# Altium PCB 11BRANMB10H3_20171027.pcbdoc (part 1 of 7) (continued)
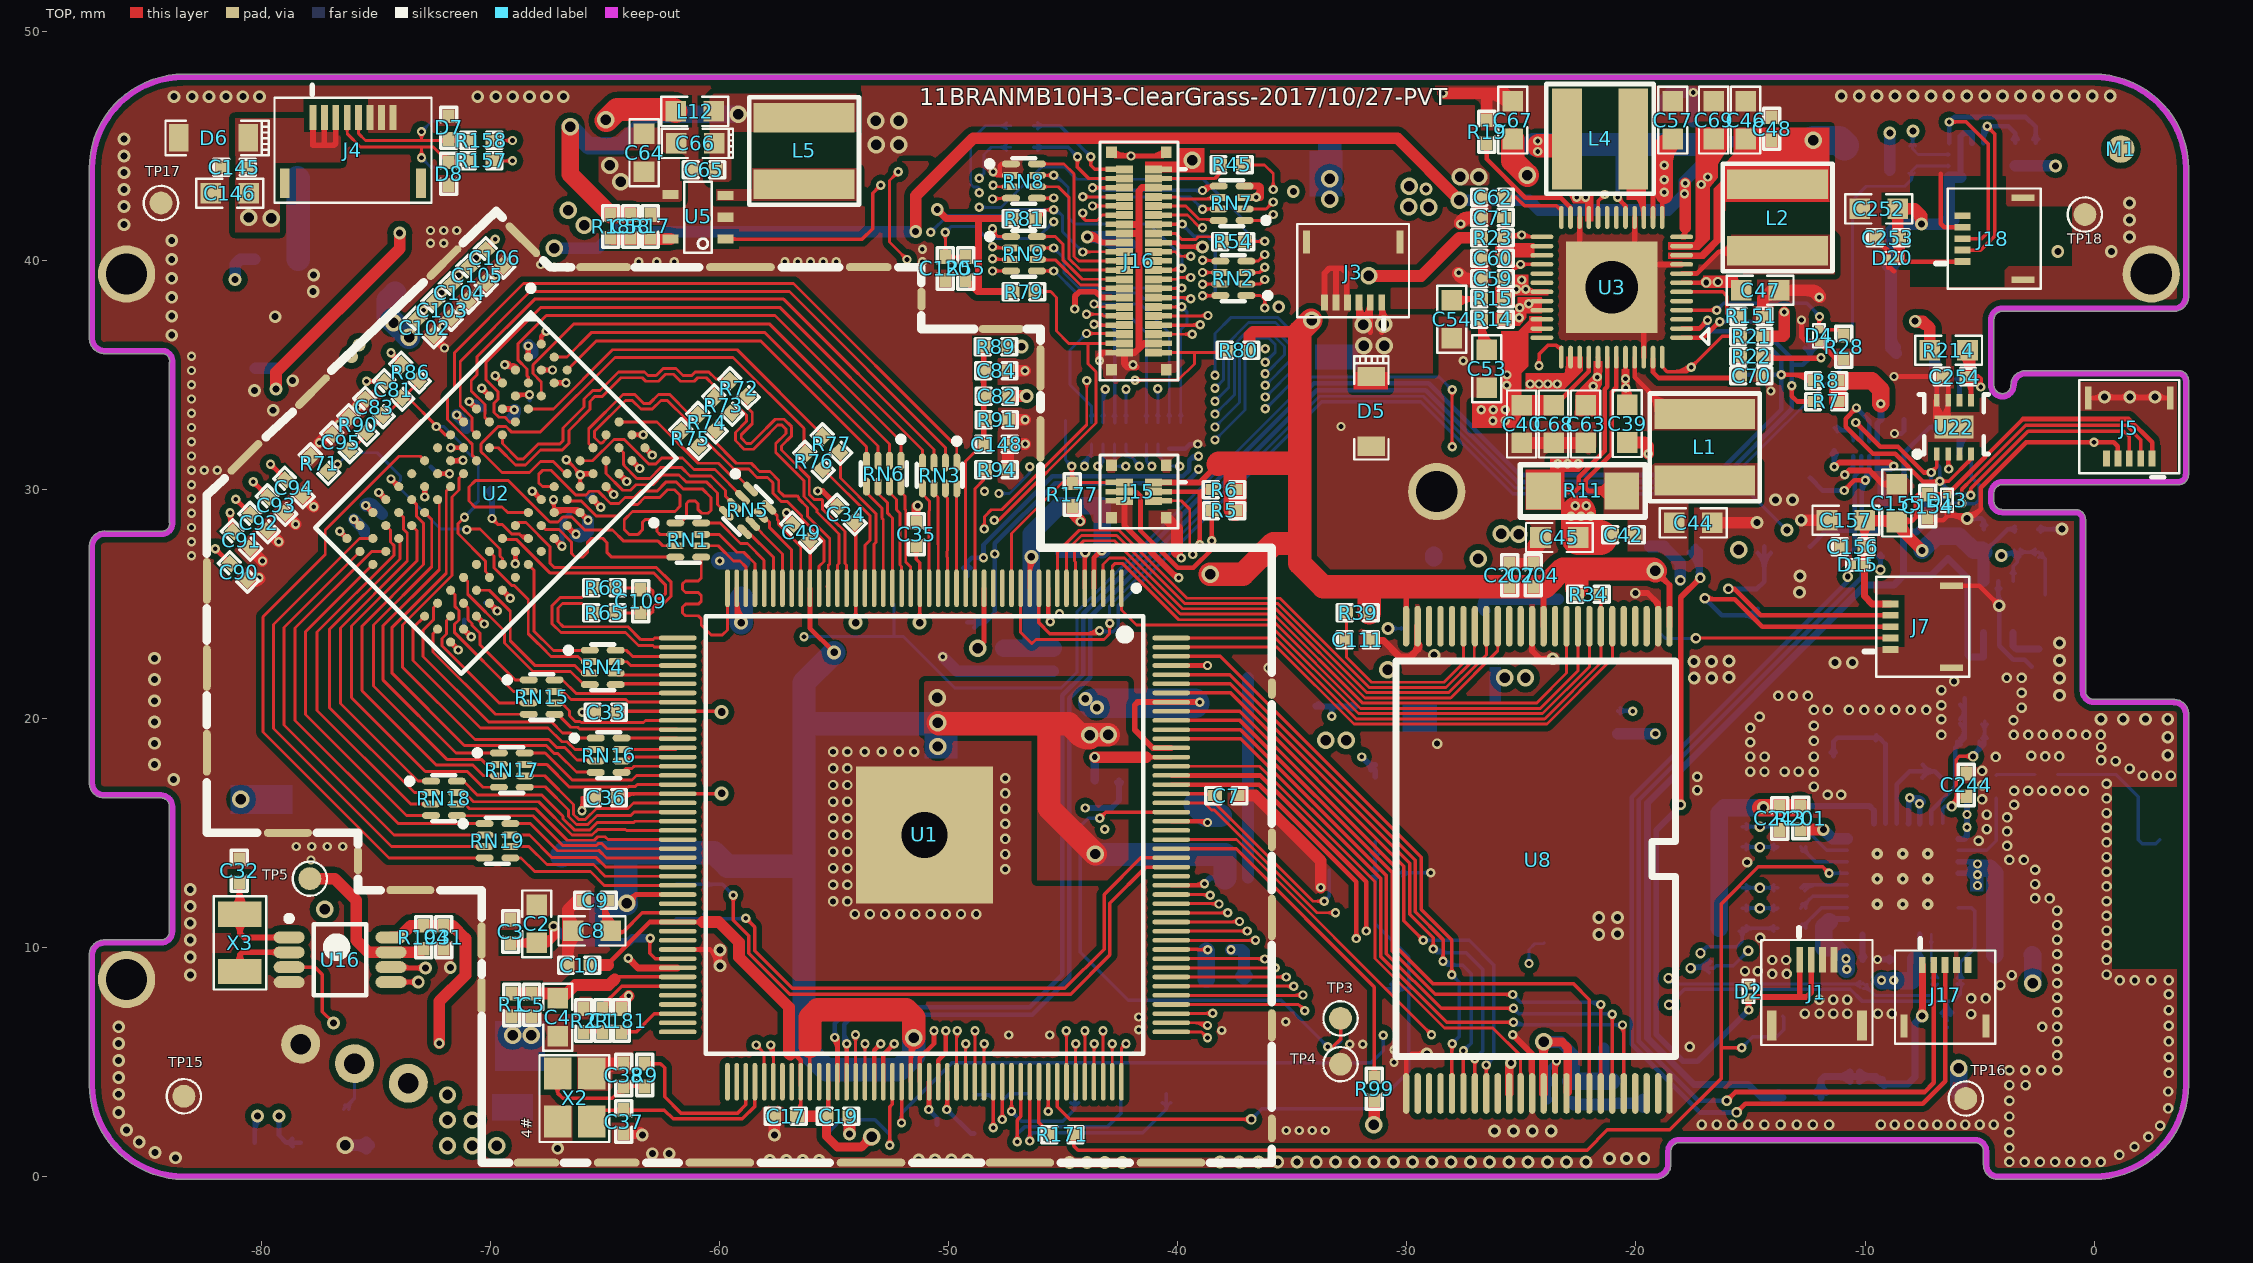
[diagram p0: TOP view]
## Components (designator, comment, footprint, x,y, rotation, side; value= is the part's Value field where it differs from the comment) (continued)
R76 "24R-1%" R_0402 -55.891,31.215 r135 top
R77 "24R-1%" R_0402 -55.129,31.977 r135 top
R79 "10K" R_0402 -46.722,38.633 r0 top
R80 "10K" R_0402 -37.375,36.061 r180 top
R81 "10K" R_0402 -46.722,41.808 r0 top
R86 "2K-1%" R_0402 -73.518,35.101 r135 top
R89 "2K-1%" R_0402 -47.942,36.227 r0 top
R90 "2K-1%" R_0402 -75.804,32.815 r315 top
R91 "2K-1%" R_0402 -47.906,33.042 r180 top
R94 "240R-1%" R_0402 -47.915,30.859 r180 top
R99 "10K" R_0402 -31.42,3.831 r270 top
R129 "10K" R_0402 -8.419,43.942 r0 bottom
R130 "10K" R_0402 -8.419,44.852 r0 bottom
R131 "10K" R_0402 -20.803,19.833 r90 bottom
R151 "0R" R_0402 -14.961,37.549 r180 top
R155 "12K-1%" R_0402 -5.282,20.701 r180 bottom
R156 "0R-1%" R_0402 -4.266,16.916 r90 bottom
R157 "0R" R_0402 -70.42,44.342 r0 top
R158 "0R" R_0402 -70.42,45.231 r0 top
R160 "0R-1%" R_0603' 2.4,10.4 r270 bottom
R168 "200R-1%" R_0402 -13.31,10.828 r0 bottom
R169 "200R-1%" R_0402 -13.31,11.717 r0 bottom
R170 "200R-1%" R_0402 -13.31,12.606 r0 bottom
R171 "200R-1%" R_0402 -45.046,1.829 r0 top
R172 "200R-1%" R_0402 -13.31,14.384 r0 bottom
R173 "200R-1%" R_0402 -13.185,15.279 r0 bottom
R176 "0R-1%" R_0603 -3.517,9.677 r180 bottom
R177 "1K-1%" R_0402 -44.614,29.769 r270 top
R178 "NC/100R-1%" R_0402 -75.946,2.771 r160 bottom
R179 "10K-1%" R_0402 -15.861,12.606 r0 bottom
R180 "100K-1%" R_0402 -5.346,8.534 r0 bottom
R181 "100K" R_0402 -64.295,6.807 r90 top
R188 "200K-1%" R_0402 -34.505,20.549 r0 bottom
R189 "1.8M-1%" R_0402 -31.736,20.523 r0 bottom
R190 "100K-1%" R_0402 -30.847,13.229 r0 bottom
R194 "10K" R_0402 -72.935,10.439 r90 top
R195 "0R-1%" R_0603 -8.267,29.286 r0 bottom
R196 "10K-1%" R_0402 -8.8,28.143 r180 bottom
R197 "10K-1%" R_0402 -8.826,27.178 r180 bottom
R198 "0R-1%" R_0603 -12.749,3.454 r180 bottom
R199 "10K-1%" R_0402 -3.353,27.762 r270 bottom
R200 "0R-1%" R_0402 -7.454,8.534 r0 bottom
R201 "0R-1%" R_0402 -12.813,15.646 r270 top
R202 "20K-1%" R_0402 -5.282,19.863 r180 bottom
R203 "0R-1%" R_0402 -10.096,8.941 r90 bottom
R204 "0R-1%" R_0402 -13.18,16.159 r180 bottom
R205 "10K-1%" R_0402 -15.862,15.273 r180 bottom
R206 "10K-1%" R_0402 -15.862,14.384 r180 bottom
R207 "10K-1%" R_0402 -15.862,11.717 r180 bottom
R208 "10K-1%" R_0402 -15.862,10.828 r180 bottom
R209 "10K-1%" R_0402 -11.34,32.182 r270 bottom
R210 "100K-1%" R_0402 -2.438,27.762 r90 bottom
R213 "0R-1%" R_0603 -8.001,36.068 r0 bottom
R214 "0R-1%" R_0603 -6.35,36.068 r0 top
RN1 "24R*4" RCA50-8/3 -61.377,27.786 r0 top
RN2 "100R*4" RCA50-8/3 -37.578,39.211 r180 top
RN3 "24R*4" RCA50-8/3 -50.404,30.605 r270 top
RN4 "33R*4" RCA50-8/3 -65.111,22.223 r0 top
RN5 "24R*4" RCA50-8/3 -58.786,29.081 r315 top
RN6 "24R*4" RCA50-8/3 -52.843,30.681 r270 top
RN7 "100R*4" RCA50-8/3 -37.654,42.488 r180 top
RN8 "100R*4" RCA50-8/3 -46.722,43.459 r0 top
RN9 "100R*4" RCA50-8/3 -46.722,40.284 r0 top
RN10 "100R*4" RCA50-8/3 -40.626,32.339 r90 bottom
RN11 "100R*4" RCA50-8/3 -43.014,32.339 r90 bottom
RN15 "33R*4" RCA50-8/3 -67.778,20.928 r0 top
RN16 "33R*4" RCA50-8/3 -64.855,18.391 r0 top
RN17 "33R*4" RCA50-8/3 -69.083,17.742 r0 top
RN18 "33R*4" RCA50-8/3 -72.045,16.508 r0 top
RN19 "33R*4" RCA50-8/3 -69.708,14.654 r0 top
TP2 "Test Point" TESTPOINT1 -2.134,25.451 r180 bottom
TP3 "Test Point" TESTPOINT1 -32.9,6.9 r90 top
TP4 "Test Point" TESTPOINT1 -32.9,4.9 r90 top
TP5 "32K" TESTPOINT2 -77.9,13 r90 top
TP6 "Test Point" TESTPOINT2 -12.4,36.5 r270 bottom
TP7 "Test Point" TESTPOINT2 -15.1,35 r90 bottom
TP8 "Test Point" TESTPOINT2 -10.9,44.977 r90 bottom
TP9 "Test Point" TESTPOINT2 -66.9,14 r90 bottom
TP10 "Test Point" TESTPOINT2 -68.77,2.997 r90 bottom
TP11 "Test Point" TESTPOINT2 -14.4,45 r90 bottom
TP12 "Test Point" TESTPOINT2 -8.9,40 r90 bottom
TP13 "Test Point" TESTPOINT2 -23.7,28.2 r90 bottom
TP14 "Test Point" TESTPOINT2 -30.9,8.2 r270 bottom
TP15 "Test Point" TESTPOINT2 -83.4,3.5 r90 top
TP16 "Test Point" TESTPOINT2 -5.6,3.4 r90 top
TP17 "Test Point" TESTPOINT2 -84.4,42.5 r270 top
TP18 "Test Point" TESTPOINT2 -0.4,42 r270 top
TP19 "Test Point" TESTPOINT2 -83.4,7.677 r90 bottom
TP20 "Test Point" TESTPOINT2 -7.6,3.4 r90 bottom
TP21 "Test Point" TESTPOINT2 -84.4,44.5 r90 bottom
TP22 "Test Point" TESTPOINT2 -0.4,40 r270 bottom
TP23 "Test Point" TESTPOINT2 -21.4,5.6 r270 bottom
TP24 "Test Point" TESTPOINT2 -19.5,3.2 r270 bottom
TP25 "Test Point" TESTPOINT2 -42.252,40.513 r90 bottom
TP26 "Test Point" TESTPOINT2 -52.4,25 r270 bottom
TP27 "Test Point" TESTPOINT2 -23.4,25.2 r270 bottom
TP28 "Test Point" TESTPOINT2 -49.2,26.2 r270 bottom
TP29 "Test Point" TESTPOINT2 -49.2,24.2 r270 bottom
TP30 "Test Point" TESTPOINT2 -44.9,33 r270 bottom
TP31 "Test Point" TESTPOINT2 -17.4,27.5 r270 bottom
TP32 "Test Point" TESTPOINT2 -33.4,35.8 r270 bottom
TP33 "Test Point" TESTPOINT2 -33.4,45 r270 bottom
TP34 "Test Point" TESTPOINT2 -29.4,20 r270 bottom
TP35 "Test Point" TESTPOINT2 -14.4,24.5 r270 bottom
TP36 "Test Point" TESTPOINT2 -14.4,27.5 r90 bottom
TP37 "Test Point" TESTPOINT2 -24,10.2 r90 bottom
TP38 "Test Point" TESTPOINT1 -42.5,3.6 r90 bottom
TP39 "Test Point" TESTPOINT1 -44.5,3.6 r90 bottom
TP40 "Test Point" TESTPOINT1 -46.5,3.6 r90 bottom
TP41 "Test Point" TESTPOINT1 -48.9,3.6 r90 bottom
TP42 "Test Point" TESTPOINT1 -40.5,3.6 r90 bottom
TP43 "Test Point" TESTPOINT1 -13.6,7 r90 bottom
TP44 "Test Point" TESTPOINT1 -6.4,6.8 r90 bottom
TP45 "Test Point" TESTPOINT1 -16.5,9.2 r90 bottom
TP46 "Test Point" TESTPOINT2 -6.375,26.975 r90 bottom
TP47 "Test Point" TESTPOINT2 -12.4,30.5 r90 bottom
TP48 "Test Point" TESTPOINT2 -12.4,27.5 r270 bottom
TP49 "Test Point" TESTPOINT2 -79.4,16.5 r270 bottom
TP50 "Test Point" TESTPOINT2 -19.4,27.5 r270 bottom
TP51 "Test Point" TESTPOINT2 -5.6,3.4 r90 bottom
TP52 "Test Point" TESTPOINT2 -71.8,44.077 r270 bottom
TP53 "Test Point" TESTPOINT2 -71.8,46.077 r270 bottom
TP54 "Test Point" TESTPOINT2 -80.3,1.5 r270 bottom
TP55 "Test Point" TESTPOINT2 -78.3,1.5 r270 bottom
TP56 "Test Point" TESTPOINT2 -82.3,1.5 r270 bottom
TP57 "Test Point" TESTPOINT1 -32.9,6.9 r270 bottom
TP85 "Test Point" TESTPOINT2 -50.9,1.877 r270 bottom
TP86 "Test Point" TESTPOINT2 -18.9,23.6 r270 bottom
TP87 "Test Point" TESTPOINT2 -55.4,1.777 r270 bottom
TP88 "Test Point" TESTPOINT2 -33.4,13.377 r270 bottom
TP89 "Test Point" TESTPOINT2 -48.9,1.877 r270 bottom
U1 "R8" TQFP177P0_4 -51.065,14.908 r270 top locked
U2 "DDR3-FBGA96" FBGA96C80P9X13 -69.775,29.834 r315 top locked
U3 "AXP209" QFN48_6X6 -21.057,38.819 r180 top locked
U4 "AP3410/SY8088" SOT-23-5 -79.361,40.049 r270 bottom
U5 "AP3410/SY8088" SOT-23-5 -59.752,41.878 r180 top
U7 "ESP8089" QFN32 -8.357,12.987 r180 bottom locked
U8 "NAND FLASH X8" SSOP48 -18.533,24.024 r270 top locked
U9 "SGM3756" TDFN-2*2-6L -29.019,23.927 r270 bottom
U10 "LIS2DH12" LGA-12 -5.574,44.369 r270 bottom
U15 "SGM65501-ADJ" TSOT-23-6 -30.43,16.03 r90 bottom
U16 "PCF8563/AT8563S" SO8N -76.581,9.46 r0 top
U19 "MAX8891EXK18+T" SC70 -4.179,24.867 r270 bottom
U20 "TXS0102DQER" DQE -9.994,31.775 r180 bottom
U21 "STS30" DFN -6.121,32.715 r180 bottom
U22 "STS30" DFN -6.121,32.715 r0 top
X1 "NC-XTAL3225-26M" XTAL/3225 -8,17.702 r180 bottom
X2 "24M-18pF-3225-10PPM" XTAL/3225 -65.583,2.395 r90 top
X3 "32.768K/12.5pF/±10ppm" 3215 -80.95,10.197 r90 top

## Footprints (in the part's own frame and the unit in brackets; to place one, negate y for a bottom-side part, rotate by r counter-clockwise, add the part's x,y. Pads: shape width x height; smd on the part's side, far side on the other; paste and mask are expansions set on the pad)
0201#1 [mm]
  rect 0.35x0.35 smd: 1(-0.265,0) 2(0.265,0)
  silkscreen extent -0.51,-0.25 0.51,0.25, body extent -0.39,-0.25 0.39,0.25, height 0.3
0201#2 [mm]
  rect 0.23x0.3 smd: 1(-0.177,0) 2(0.178,0)
  silkscreen extent -0.46,-0.25 0.38,0.25
3215 [mm]
  rect 1.1x1.9 smd: 1(-1.25,0) 2(1.25,0)
  silkscreen extent -2.03,-1.14 2.03,1.14, body extent -1.9,-1.05 1.9,1.05, height 0.8
3216 [mm]
  rect 0.8x0.65 smd: 1(-1.7,-0.475) 3(-1.7,0.475)
  rect 0.8x1.6 smd: 2(1.7,0)
  rect 0.4x0.8 smd: 3(-1.5,0)
  silkscreen extent -2.54,-1.02 2.29,1.02, body extent -1.72,-0.85 1.72,0.85, height 0.7
503304-4240 [mm]
  rect 0.35x0.73 smd: 1(-4,0.635) 2(-4,-0.635) 3(-3.6,0.635) 4(-3.6,-0.635) 5(-3.2,0.635) 6(-3.2,-0.635) 7(-2.8,0.635) 8(-2.8,-0.635) 9(-2.4,0.635) 10(-2.4,-0.635) 11(-2,0.635) 12(-2,-0.635) 13(-1.6,0.635) 14(-1.6,-0.635) 15(-1.2,0.635) 16(-1.2,-0.635) 17(-0.8,0.635) 18(-0.8,-0.635) 19(-0.4,0.635) 20(-0.4,-0.635) 21(0,0.635) 22(0,-0.635) 23(0.4,0.635) 24(0.4,-0.635) 25(0.8,0.635) 26(0.8,-0.635) 27(1.2,0.635) 28(1.2,-0.635) 29(1.6,0.635) 30(1.6,-0.635) 31(2,0.635) 32(2,-0.635) 33(2.4,0.635) 34(2.4,-0.635) 35(2.8,0.635) 36(2.8,-0.635) 37(3.2,0.635) 38(3.2,-0.635) 39(3.6,0.635) 40(3.6,-0.635) 41(4,0.635) 42(4,-0.635)
  rect 0.24x0.45 smd paste+0: 1(-4,1.225) 3(-3.6,1.225) 5(-3.2,1.225) 7(-2.8,1.225) 8(-2.8,-1.225) 9(-2.4,1.225) 10(-2.4,-1.225) 11(-2,1.225) 12(-2,-1.225) 13(-1.6,1.225) 14(-1.6,-1.225) 15(-1.2,1.225) 16(-1.2,-1.225) 17(-0.8,1.225) 18(-0.8,-1.225) 19(-0.4,1.225) 20(-0.4,-1.225) 21(0,1.225) 22(0,-1.225) 23(0.4,1.225) 24(0.4,-1.225) 25(0.8,1.225) 26(0.8,-1.225) 27(1.2,1.225) 28(1.2,-1.225) 29(1.6,1.225) 30(1.6,-1.225) 31(2,1.225) 32(2,-1.225) 33(2.4,1.225) 34(2.4,-1.225) 35(2.8,1.225) 36(2.8,-1.225) 37(3.2,1.225) 38(3.2,-1.225) 39(3.6,1.225) 40(3.6,-1.225) 41(4,1.225) 42(4,-1.225)
  rect 0.24x0.45 smd: 2(-4,-1.225) 4(-3.6,-1.225) 6(-3.2,-1.225)
  rect 0.5x0.47 smd: 43(-4.75,1.195) 44(4.75,1.195) 45(-4.75,-1.195) 46(4.75,-1.195)
  silkscreen extent -5.2,-1.7 5.21,2.03, body extent -5.1,-1.55 5.1,1.55, height 0.68
503480-0500 [mm]
  rect 0.7x0.3 smd: 1(1.325,1) 2(1.325,0.5) 3(1.325,0) 4(1.325,-0.5) 5(1.325,-1)
  rect 1x0.3 smd: 6(-1.325,1.79) 7(-1.325,-1.79)
  silkscreen extent -2.1,-2.19 1.96,2.19, body extent -1.93,-2.04 1.78,2.04, height 1
503480-0600 [mm]
  rect 0.7x0.3 smd: 1(1.325,1.25) 2(1.325,0.75) 3(1.325,0.25) 4(1.325,-0.25) 5(1.325,-0.75) 6(1.325,-1.25)
  rect 1x0.3 smd: 7(-1.325,2.04) 8(-1.325,-2.04)
  silkscreen extent -2.1,-2.44 2.47,2.44, body extent -1.93,-2.29 1.78,2.29, height 1
503480-0620 [mm]
  rect 0.24x0.45 smd paste+0: 1(-0.4,1.225) 3(0,1.225) 5(0.4,1.225)
  rect 0.35x0.73 smd: 1(-0.4,0.635) 2(-0.4,-0.635) 3(0,0.635) 4(0,-0.635) 5(0.4,0.635) 6(0.4,-0.635)
  rect 0.24x0.45 smd: 2(-0.4,-1.225) 4(0,-1.225) 6(0.4,-1.225)
  rect 0.5x0.47 smd: 7(-1.15,1.195) 8(1.15,1.195) 9(-1.15,-1.195) 10(1.15,-1.195)
  silkscreen extent -1.6,-1.7 1.6,2.03, body extent -1.5,-1.55 1.5,1.55, height 0.68
BL-5C [mm]
  round 1.7 hole 0.9: 1(-2.5,0) 2(0,0) 3(2.5,0)
  silkscreen extent -5.1,-1.5 5.1,6.7, body extent -5.14,-0.95 5.14,6.67, height 4.2
C0402 [mm]
  rect 0.6x0.5 smd: 1(-0.5,0) 2(0.5,0)
  silkscreen extent -0.9,-0.35 0.9,0.35, body extent -0.51,-0.25 0.51,0.25, height 0.5
C_0402 [mm]
  rect 0.6x0.5 smd: 1(-0.5,0) 2(0.5,0)
  silkscreen extent -0.9,-0.35 0.9,0.35, body extent -0.51,-0.25 0.51,0.25, height 0.5
C_0603 [mm]
  rect 0.9x0.9 smd: 1(-0.826,0) 2(0.826,0)
  silkscreen extent -1.46,-0.64 1.46,0.64, body extent -1.38,-0.55 1.38,0.55, height 0.9
CD32 [mm]
  rect 1.3x4.4 smd: 1(-1.45,0) 2(1.45,0)
  silkscreen extent -2.35,-2.4 2.35,2.4, body extent -1.92,-2.1 2.27,2.1, height 1.8
DFN [mm]
  rect 0.25x0.55 smd: 1(-0.75,-1.175) 2(-0.25,-1.175) 3(0.25,-1.175) 4(0.75,-1.175) 5(0.75,1.175) 6(0.25,1.175) 7(-0.25,1.175) 8(-0.75,1.175)
  rect 1.7x1 smd: 9(0,0)
  silkscreen extent -1.73,-1.3 1.53,1.43, body extent -1.48,-1.55 1.51,1.55, height 1
DQE [mm]
  rect 0.2x0.53 smd: 1(-0.525,-0.335) 2(-0.175,-0.335) 3(0.175,-0.335) 4(0.525,-0.335) 5(0.525,0.335) 6(0.175,0.335) 7(-0.175,0.335) 8(-0.525,0.335)
  silkscreen extent -1.23,-0.76 0.8,0.76
ESD_0402 [mm]
  rect 0.6x0.5 smd: 1(-0.5,0) 2(0.5,0)
  silkscreen extent -0.9,-0.35 0.9,0.35, body extent -0.51,-0.25 0.51,0.25, height 0.5
FBGA96C80P9X13 [mm]
  round 0.4 smd: A1(-3.2,6) A2(-2.4,6) A3(-1.6,6) A7(1.6,6) A8(2.4,6) A9(3.2,6) B1(-3.2,5.2) B2(-2.4,5.2) B3(-1.6,5.2) B7(1.6,5.2) B8(2.4,5.2) B9(3.2,5.2) C1(-3.2,4.4) C2(-2.4,4.4) C3(-1.6,4.4) C7(1.6,4.4) C8(2.4,4.4) C9(3.2,4.4) D1(-3.2,3.6) D2(-2.4,3.6) D3(-1.6,3.6) D7(1.6,3.6) D8(2.4,3.6) D9(3.2,3.6) E1(-3.2,2.8) E2(-2.4,2.8) E3(-1.6,2.8) E7(1.6,2.8) E8(2.4,2.8) E9(3.2,2.8) F1(-3.2,2) F2(-2.4,2) F3(-1.6,2) F7(1.6,2) F8(2.4,2) F9(3.2,2) G1(-3.2,1.2) G2(-2.4,1.2) G3(-1.6,1.2) G7(1.6,1.2) G8(2.4,1.2) G9(3.2,1.2) H1(-3.2,0.4) H2(-2.4,0.4) H3(-1.6,0.4) H7(1.6,0.4) H8(2.4,0.4) H9(3.2,0.4) J1(-3.2,-0.4) J2(-2.4,-0.4) J3(-1.6,-0.4) J7(1.6,-0.4) J8(2.4,-0.4) J9(3.2,-0.4) K1(-3.2,-1.2) K2(-2.4,-1.2) K3(-1.6,-1.2) K7(1.6,-1.2) K8(2.4,-1.2) K9(3.2,-1.2) L1(-3.2,-2) L2(-2.4,-2) L3(-1.6,-2) L7(1.6,-2) L8(2.4,-2) L9(3.2,-2) M1(-3.2,-2.8) M2(-2.4,-2.8) M3(-1.6,-2.8) M7(1.6,-2.8) M8(2.4,-2.8) M9(3.2,-2.8) N1(-3.2,-3.6) N2(-2.4,-3.6) N3(-1.6,-3.6) N7(1.6,-3.6) N8(2.4,-3.6) N9(3.2,-3.6) P1(-3.2,-4.4) P2(-2.4,-4.4) P3(-1.6,-4.4) P7(1.6,-4.4) P8(2.4,-4.4) P9(3.2,-4.4) R1(-3.2,-5.2) R2(-2.4,-5.2) R3(-1.6,-5.2) R7(1.6,-5.2) R8(2.4,-5.2) R9(3.2,-5.2) T1(-3.2,-6) T2(-2.4,-6) T3(-1.6,-6) T7(1.6,-6) T8(2.4,-6) T9(3.2,-6)
  silkscreen extent -5.38,-6.65 4.5,7.52, body extent -3.5,-6.3 3.5,6.3, height 1
FPC_CON4-KYOCERA [mm] "厂?"
  rect 1.1x0.3 smd: 1(1.435,0.75) 2(1.435,0.25) 3(1.435,-0.25) 4(1.435,-0.75)
  rect 1.3x0.42 smd: 5(-1.435,1.97) 6(-1.435,-1.97)
  silkscreen extent -2.29,-2.43 2.83,2.43, body extent -2.19,-2.28 2.09,2.28, height 1
FPC_CON8-KYOCERA [mm] "厂?"
  rect 1.1x0.3 smd: 1(1.435,1.75) 2(1.435,1.25) 3(1.435,0.75) 4(1.435,0.25) 5(1.435,-0.25) 6(1.435,-0.75) 7(1.435,-1.25) 8(1.435,-1.75)
  rect 1.3x0.42 smd: 9(-1.435,2.97) 10(-1.435,-2.97)
  silkscreen extent -2.29,-3.43 2.83,3.43, body extent -2.19,-3.28 2.09,3.28, height 1
L_0603 [mm]
  rect 0.9x0.9 smd: 1(-0.826,0) 2(0.826,0)
  silkscreen extent -1.46,-0.64 1.46,0.64, body extent -1.38,-0.55 1.38,0.55, height 0.9
LGA-12 [mm]
  rect 0.275x0.25 smd: 1(-0.75,0.75) 2(-0.75,0.25) 3(-0.75,-0.25) 4(-0.75,-0.75) 7(0.75,-0.75) 8(0.75,-0.25) 9(0.75,0.25) 10(0.75,0.75)
  rect 0.25x0.275 smd: 5(-0.25,-0.75) 6(0.25,-0.75) 11(0.25,0.75) 12(-0.25,0.75)
  silkscreen extent -1.14,-1.14 1.14,1.52, body extent -0.99,-0.99 0.99,0.99, height 1.2
MARK_POINT#1 [mm]
  round 1.2 smd: 4(0,0)
  round 4.064 on Top Solder: 5(0,0)
MARK_POINT#2 [mm]
  round 1.2 smd: 4(0,0)
  round 4.064 on Bottom Solder: 5(0,0)
PROGRAM_1/2 [mm]
  rect 1.1x2 smd: 1(0,0.95)
  rect 1.1x0.8 smd: 2(0,-0.95)
  silkscreen extent -0.76,-1.52 0.76,2.39, body extent -0.65,-1.45 0.65,2.05, height 0.8
QFN32 [mm] "QFN, 32-Leads, Body 5.00x5.00mm, Pitch 0.50mm, Thermal Pad 3.70x3.70mm, IPC Medium Density"
  oval 0.8x0.25 smd: 1(-2.425,1.75) 2(-2.425,1.25) 3(-2.425,0.75) 4(-2.425,0.25) 5(-2.425,-0.25) 6(-2.425,-0.75) 7(-2.425,-1.25) 8(-2.425,-1.75) 17(2.425,-1.75) 18(2.425,-1.25) 19(2.425,-0.75) 20(2.425,-0.25) 21(2.425,0.25) 22(2.425,0.75) 23(2.425,1.25) 24(2.425,1.75)
  oval 0.25x0.8 smd: 9(-1.75,-2.425) 10(-1.25,-2.425) 11(-0.75,-2.425) 12(-0.25,-2.425) 13(0.25,-2.425) 14(0.75,-2.425) 15(1.25,-2.425) 16(1.75,-2.425) 25(1.75,2.425) 26(1.25,2.425) 27(0.75,2.425) 28(0.25,2.425) 29(-0.25,2.425) 30(-0.75,2.425) 31(-1.25,2.425) 32(-1.75,2.425)
  rect 3.6x3.6 smd: 33(0,0)
  silkscreen extent -3.45,-2.68 2.68,2.67, body extent -2.52,-2.53 2.53,2.52, height 0.8
QFN48_6X6 [mm]
  oval 1x0.2 smd: 1(-3.05,2.2) 2(-3.05,1.8) 3(-3.05,1.4) 4(-3.05,1) 5(-3.05,0.6) 6(-3.05,0.2) 7(-3.05,-0.2) 8(-3.05,-0.6) 9(-3.05,-1) 10(-3.05,-1.4) 11(-3.05,-1.8) 12(-3.05,-2.2) 25(3.05,-2.2) 26(3.05,-1.8) 27(3.05,-1.4) 28(3.05,-1) 29(3.05,-0.6) 30(3.05,-0.2) 31(3.05,0.2) 32(3.05,0.6) 33(3.05,1) 34(3.05,1.4) 35(3.05,1.8) 36(3.05,2.2)
  oval 0.2x1 smd: 13(-2.2,-3.05) 14(-1.8,-3.05) 15(-1.4,-3.05) 16(-1,-3.05) 17(-0.6,-3.05) 18(-0.2,-3.05) 19(0.2,-3.05) 20(0.6,-3.05) 21(1,-3.05) 22(1.4,-3.05) 23(1.8,-3.05) 24(2.2,-3.05) 37(2.2,3.05) 38(1.8,3.05) 39(1.4,3.05) 40(1,3.05) 41(0.6,3.05) 42(0.2,3.05) 43(-0.2,3.05) 44(-0.6,3.05) 45(-1,3.05) 46(-1.4,3.05) 47(-1.8,3.05) 48(-2.2,3.05)
  rect 4x4 / inner round 3.048 / far side round 3.048 hole 2.286: 49(0,0)
  silkscreen extent -4.24,1.8 -3.89,2.49, body extent -3.65,-3.65 3.65,3.65, height 0.8
R0402 [mm]
  rect 0.6x0.5 smd: 1(-0.5,0) 2(0.5,0)
  silkscreen extent -0.9,-0.35 0.9,0.35, body extent -0.51,-0.25 0.51,0.25, height 0.5
R_0402 [mm]
  rect 0.6x0.5 smd: 1(-0.5,0) 2(0.5,0)
  silkscreen extent -0.9,-0.35 0.9,0.35, body extent -0.51,-0.25 0.51,0.25, height 0.5
R_0603 [mm]
  rect 0.9x0.9 smd: 1(-0.826,0) 2(0.826,0)
  silkscreen extent -1.46,-0.64 1.46,0.64, body extent -1.38,-0.55 1.38,0.55, height 0.9
R_0603' [mm]
  rect 0.9x0.9 smd: 1(-0.826,0) 2(0.826,0)
  silkscreen extent 0.32,-0.64 1.46,0.63, body extent -1.38,-0.55 1.38,0.55, height 0.9
R_1206 [mm]
  rect 1.52x1.6 smd: 1(1.71,0) 2(-1.71,0)
  silkscreen extent -2.73,-1.14 2.73,1.14, body extent -2.57,-0.9 2.57,0.9, height 0.9
RCA50-8/3 [mil]
  oval 31x12 smd: 1(-22.23,29.53) 2(-22.23,9.84) 3(-22.23,-9.84) 4(-22.23,-29.53) 5(22.25,-29.53) 6(22.25,-9.84) 7(22.25,9.84) 8(22.25,29.53)
  silkscreen extent -64,-39 20,39, body extent -42,-40 42,40, height 12
SC70 [mm]
  rect 0.9x0.4 smd: 1(-1.125,0.65) 2(-1.125,0) 3(-1.125,-0.65) 4(1.125,-0.65) 5(1.125,0.65)
  silkscreen extent -1.78,-1.1 1.78,1.65, body extent -0.67,-1.1 0.67,1.1, height 1.1
SO8N [mm] "TSOP, 8-Leads, Body 3.00x3.00mm, Pitch 0.65mm, IPC Medium Density"
  oval 1.35x0.52 smd: 1(-2.225,0.975) 2(-2.225,0.325) 3(-2.225,-0.325) 4(-2.225,-0.975) 5(2.225,-0.975) 6(2.225,-0.325) 7(2.225,0.325) 8(2.225,0.975)
  silkscreen extent -2.35,-1.55 1.15,1.92, body extent -1.55,-1.55 1.55,1.55, height 1.1
SOD-123 [mm]
  rect 0.85x1.2 smd: 1(1.525,0) 2(-1.525,0)
  silkscreen extent -2.1,-0.75 2.41,0.75, body extent -2.05,-0.7 2.05,0.7, height 0.8
SOT-23-5 [mm]
  rect 0.7x0.4 smd: 1(0,0.95) 2(0,0) 3(0,-0.95) 4(2.4,-1) 5(2.4,0.95)
  silkscreen extent 0.6,-1.55 1.8,1.55, body extent -0.45,-1.3 2.85,1.25, height 1.25
SSOP48 [mm]
  oval 1.778x0.275 smd: 1(0,0) 2(0,-0.5) 3(0,-1) 4(0,-1.5) 5(0,-2) 6(0,-2.5) 7(0,-3) 8(0,-3.5) 9(0,-4) 10(0,-4.5) 11(0,-5) 12(0,-5.5) 13(0,-6) 14(0,-6.5) 15(0,-7) 16(0,-7.5) 17(0,-8) 18(0,-8.5) 19(0,-9) 20(0,-9.5) 21(0,-10) 22(0,-10.5) 23(0,-11) 24(0,-11.5) 25(20.4,-11.5) 26(20.4,-11) 27(20.4,-10.5) 28(20.4,-10) 29(20.4,-9.5) 30(20.4,-9) 31(20.4,-8.5) 32(20.4,-8) 33(20.4,-7.5) 34(20.4,-7) 35(20.4,-6.5) 36(20.4,-6) 37(20.4,-5.5) 38(20.4,-5) 39(20.4,-4.5) 40(20.4,-4) 41(20.4,-3.5) 42(20.4,-3) 43(20.4,-2.5) 44(20.4,-2) 45(20.4,-1.5) 46(20.4,-1) 47(20.4,-0.5) 48(20.4,0)
  silkscreen extent 1.52,-11.94 18.8,0.25, body extent -0.99,-11.74 21.39,0.24, height 1.2
TAN_0603 [mm]
  rect 0.9x0.9 smd: 1(-0.826,0) 2(0.826,0)
  silkscreen extent -1.65,-0.64 1.46,0.64, body extent -1.38,-0.55 1.38,0.55, height 0.9
TDFN-2*2-6L [mm]
  rect 0.24x0.65 smd: 1(-0.65,-0.975) 2(0,-0.975) 3(0.65,-0.975) 4(0.65,0.975) 5(0,0.975) 6(-0.65,0.975)
  rect 1.4x0.8 smd: 7(0,0)
  silkscreen extent -0.89,-1.76 0.89,1.4
TESTPOINT1 [mm]
  round 1 smd: 1(0,0)
  silkscreen extent -0.75,-0.75 0.75,0.75, body extent -0.6,-0.6 0.6,0.6, height 0.1
TESTPOINT2 [mm]
  round 1 smd: 1(0,0)
  silkscreen extent -0.75,-0.75 0.75,0.75, body extent -0.6,-0.6 0.6,0.6, height 0.1
TQFP177P0_4 [mm]
  oval 1.65x0.2 smd: 1(-10.775,8.6) 2(-10.775,8.2) 3(-10.775,7.8) 4(-10.775,7.4) 5(-10.775,7) 6(-10.775,6.6) 7(-10.775,6.2) 8(-10.775,5.8) 9(-10.775,5.4) 10(-10.775,5) 11(-10.775,4.6) 12(-10.775,4.2) 13(-10.775,3.8) 14(-10.775,3.4) 15(-10.775,3) 16(-10.775,2.6) 17(-10.775,2.2) 18(-10.775,1.8) 19(-10.775,1.4) 20(-10.775,1) 21(-10.775,0.6) 22(-10.775,0.2) 23(-10.775,-0.2) 24(-10.775,-0.6) 25(-10.775,-1) 26(-10.775,-1.4) 27(-10.775,-1.8) 28(-10.775,-2.2) 29(-10.775,-2.6) 30(-10.775,-3) 31(-10.775,-3.4) 32(-10.775,-3.8) 33(-10.775,-4.2) 34(-10.775,-4.6) 35(-10.775,-5) 36(-10.775,-5.4) 37(-10.775,-5.8) 38(-10.775,-6.2) 39(-10.775,-6.6) 40(-10.775,-7) 41(-10.775,-7.4) 42(-10.775,-7.8) 43(-10.775,-8.2) 44(-10.775,-8.6) 89(10.775,-8.6) 90(10.775,-8.2) 91(10.775,-7.8) 92(10.775,-7.4) 93(10.775,-7) 94(10.775,-6.6) 95(10.775,-6.2) 96(10.775,-5.8) 97(10.775,-5.4) 98(10.775,-5) 99(10.775,-4.6) 100(10.775,-4.2) 101(10.775,-3.8) 102(10.775,-3.4) 103(10.775,-3) 104(10.775,-2.6) 105(10.775,-2.2) 106(10.775,-1.8) 107(10.775,-1.4) 108(10.775,-1) 109(10.775,-0.6) 110(10.775,-0.2) 111(10.775,0.2) 112(10.775,0.6) 113(10.775,1) 114(10.775,1.4) 115(10.775,1.8) 116(10.775,2.2) 117(10.775,2.6) 118(10.775,3) 119(10.775,3.4) 120(10.775,3.8) 121(10.775,4.2) 122(10.775,4.6) 123(10.775,5) 124(10.775,5.4) 125(10.775,5.8) 126(10.775,6.2) 127(10.775,6.6) 128(10.775,7) 129(10.775,7.4) 130(10.775,7.8) 131(10.775,8.2) 132(10.775,8.6)
  oval 0.2x1.65 smd: 45(-8.6,-10.775) 46(-8.2,-10.775) 47(-7.8,-10.775) 48(-7.4,-10.775) 49(-7,-10.775) 50(-6.6,-10.775) 51(-6.2,-10.775) 52(-5.8,-10.775) 53(-5.4,-10.775) 54(-5,-10.775) 55(-4.6,-10.775) 56(-4.2,-10.775) 57(-3.8,-10.775) 58(-3.4,-10.775) 59(-3,-10.775) 60(-2.6,-10.775) 61(-2.2,-10.775) 62(-1.8,-10.775) 63(-1.4,-10.775) 64(-1,-10.775) 65(-0.6,-10.775) 66(-0.2,-10.775) 67(0.2,-10.775) 68(0.6,-10.775) 69(1,-10.775) 70(1.4,-10.775) 71(1.8,-10.775) 72(2.2,-10.775) 73(2.6,-10.775) 74(3,-10.775) 75(3.4,-10.775) 76(3.8,-10.775) 77(4.2,-10.775) 78(4.6,-10.775) 79(5,-10.775) 80(5.4,-10.775) 81(5.8,-10.775) 82(6.2,-10.775) 83(6.6,-10.775) 84(7,-10.775) 85(7.4,-10.775) 86(7.8,-10.775) 87(8.2,-10.775) 88(8.6,-10.775) 133(8.6,10.775) 134(8.2,10.775) 135(7.8,10.775) 136(7.4,10.775) 137(7,10.775) 138(6.6,10.775) 139(6.2,10.775) 140(5.8,10.775) 141(5.4,10.775) 142(5,10.775) 143(4.6,10.775) 144(4.2,10.775) 145(3.8,10.775) 146(3.4,10.775) 147(3,10.775) 148(2.6,10.775) 149(2.2,10.775) 150(1.8,10.775) 151(1.4,10.775) 152(1,10.775) 153(0.6,10.775) 154(0.2,10.775) 155(-0.2,10.775) 156(-0.6,10.775) 157(-1,10.775) 158(-1.4,10.775) 159(-1.8,10.775) 160(-2.2,10.775) 161(-2.6,10.775) 162(-3,10.775) 163(-3.4,10.775) 164(-3.8,10.775) 165(-4.2,10.775) 166(-4.6,10.775) 167(-5,10.775) 168(-5.4,10.775) 169(-5.8,10.775) 170(-6.2,10.775) 171(-6.6,10.775) 172(-7,10.775) 173(-7.4,10.775) 174(-7.8,10.775) 175(-8.2,10.775) 176(-8.6,10.775)
  rrect0% 6x6 hole 2: 177(0,0)
  silkscreen extent -10.9,-9.55 9.55,9.55, body extent -11.7,-11.7 11.7,11.7, height 1.6
TSOT-23-6 [mil]
  rect 50x25 smd: 1(-56,37.4) 2(-56,0) 3(-56,-37.4) 4(56,-37.4) 5(56,0) 6(56,37.4)
  silkscreen extent -25,-65 25,65, body extent -85,-54 85,54, height 39
WTB_SIDE_6PIN [mm]
  rect 0.7x2.7 smd: 1(1.95,-3.7) 2(3.45,-3.7) 3(4.95,-3.7) 4(6.45,-3.7) 5(7.95,-3.7) 6(9.45,-3.7)
  rect 1.1x1.9 smd: 7(0,0) 8(11.4,0)
  silkscreen extent -1,-5.2 12.4,1.95, body extent -0.65,-5.15 12.05,1.05, height 3.75
XTAL/3225 [mm]
  rect 1.4x1.2 smd: 1(0,0) 2(2.1,0) 3(2.1,1.5) 4(0,1.5)
  silkscreen extent -0.89,-0.76 2.9,2.29, body extent -0.8,-0.7 2.9,2.2, height 0.8

## Free pads (board coordinates)
  round 2.5 hole 1.8: 0(-85.9,8.6) 0(-85.9,39.4) 0(-28.7,29.9) 0(2.5,39.4)
  oval 0.35x2 smd: 1(-82.4,18.5) 1(-82.4,22.2) 1(-82.4,26) 1(-46,32.2) 1(-46,35.3) 1(-35.9,11.3)
  oval 2x0.35 smd rot 45: 1(-80.733,31.394) 1(-77.786,34.264) 1(-72.045,39.897)
  oval 2.1x0.35 smd: 1(-78.86,15) 1(-73.513,12.5)
  oval 0.35x1.2 smd: 1(-75.8,13.8) 1(-35.9,2.1)
  oval 0.35x1.6 smd: 1(-70.4,7.9) 1(-70.4,10.3)
  oval 2x0.35 smd rot 135: 1(-68.599,40.897)
  oval 2x0.35 smd: 1(-68,0.6) 1(-64.5,0.6) 1(-53.5,39.7) 1(-47.7,37)
  oval 2.4x0.35 smd: 1(-65.07,39.7)
  oval 3x0.35 smd: 1(-60,0.6) 1(-59.1,39.7) 1(-53.4,0.6) 1(-46.9,0.6) 1(-40.3,0.6)
  oval 0.35x1 smd: 1(-51.2,38.3) 1(-35.9,14.7)
  oval 0.35x1.4 smd: 1(-35.9,6.6)
  oval 0.35x0.9 smd: 1(-35.9,21.3)
  oval 0.35x1.5 smd far side: 1(-17.6,6.8)
  oval 0.35x2 smd far side: 1(-17.6,11.3) 1(-17.6,14.7)
  oval 1.4x0.35 smd far side: 1(-15.1,16.9)
  oval 0.35x1.65 smd far side: 1(-13.9,19.7)
  oval 3x0.35 smd far side: 1(-13.2,5.3) 1(-11.3,21.6) 1(-3.6,5.3)
  oval 1.5x0.35 smd far side: 1(-8.9,5.3)
  oval 0.8x0.35 smd far side: 1(-4.8,21.6)
  oval 0.35x0.8 smd far side: 1(-3.8,20.8)
  oval 0.9x0.35 smd far side: 1(-1.6,20)
  oval 0.35x3 smd far side: 1(-0.1,8.4) 1(-0.1,14.9)

## Via types
v1: diameter 0.406, hole 0.203, TOP to BOTTOM, tented both sides, 429 vias
v2: diameter 0.457, hole 0.254, TOP to BOTTOM, tented both sides, 256 vias
v3: diameter 0.559, hole 0.305, TOP to BOTTOM, tented both sides, 186 vias
v4: diameter 0.762, hole 0.457, TOP to BOTTOM, tented both sides, 69 vias
v5: diameter 0.61, hole 0.33, TOP to BOTTOM, tented both sides, 11 vias
v6: diameter 0.5, hole 0.2, TOP to BOTTOM, 9 vias
v7: diameter 0.559, hole 0.051, TOP to BOTTOM, tented both sides, 2 vias
v8: diameter 0.508, hole 0.254, TOP to BOTTOM, tented both sides, 1 vias

## Nets (pads, with @x,y where several pads share a name; then routed paths per layer and width w, separated by ;. In a path a pad name is that pad's centre, name@x,y a point inside that pad or via, vN(x,y) a via of type N, cw(c..) or ccw(c..) an arc to the next point about the centre after c; other vN are vias at no path point)
A0: RN17.4 U2.N3 | length 16.9
  TOP w0.127: U2.N3@-73.452,28.419 -73.214,28.181 -73.214,26.897 -76.084,24.026 -76.084,20.902 -72.858,17.676 -71.029,17.676 -70.345,16.992 RN17.4@-69.648,16.992
A1: RN15.2 U2.P7 | length 6.4
  TOP w0.127: U2.P7@-71.755,25.591 -71.555,25.391 -71.555,24.874 -71.39,24.709 -71.39,24.299 -71.591,24.098 -71.591,23.756 -69.012,21.178 RN15.2@-68.343,21.178
A2: RN18.2 U2.P3 | length 14.7
  TOP w0.127: U2.P3@-74.018,27.854 -73.964,27.8 -73.964,26.959 -77.049,23.874 -77.049,20.47 -73.337,16.758 RN18.2@-72.61,16.758
A3: RN18.1 U2.N2 | length 15.1
  TOP w0.127: U2.N2@-74.018,28.985 -73.817,28.785 -73.817,28.268 -73.645,28.096 -73.645,26.871 -76.566,23.95 -76.566,20.648 -73.177,17.258 RN18.1@-72.61,17.258
A4: RN15.1 U2.P8 | length 4.9
  TOP w0.127: U2.P8@-71.19,25.025 -70.989,24.825 -70.989,24.308 -70.817,24.136 -70.817,24.061 -70.472,23.716 -70.472,23.215 -68.935,21.678 RN15.1@-68.343,21.678
A5: RN18.3 U2.P2 | length 16.3
  TOP w0.127: U2.P2@-74.584,28.419 -74.383,28.219 -74.383,27.702 -74.218,27.537 -74.218,27.137 -77.582,23.772 -77.582,20.343 -73.497,16.258 RN18.3@-72.61,16.258
A6: RN15.3 U2.R8 | length 6.3
  TOP w0.127: U2.R8@-71.755,24.46 -71.94,24.275 -71.94,23.683 -72.136,23.486 -72.136,23.17 -71.795,22.829 -69.644,20.678 RN15.3@-68.343,20.678
A7: RN19.3 U2.R2 | length 21.8
  TOP w0.127: U2.R2@-75.149,27.854 -75.736,27.854 -79.487,24.103 -79.487,19.556 -74.336,14.404 RN19.3@-70.273,14.404
A8: RN15.4 U2.T8 | length 6.4
  TOP w0.127: U2.T8@-72.321,23.894 -72.517,23.697 -72.517,22.898 -69.796,20.178 RN15.4@-68.343,20.178
A9: RN19.1 U2.R3 | length 19.5
  TOP w0.127: U2.R3@-74.584,27.288 -75.198,27.288 -78.548,23.939 -78.548,19.911 -74.04,15.404 RN19.1@-70.273,15.404
A10: RN4.2 U2.L7 | length 7.9
  TOP w0.127: U2.L7@-70.058,27.288 -69.858,27.087 -69.858,26.571 -69.078,25.791 -68.959,25.791 -68.362,25.195 -68.362,23.696 -68.057,23.39 -67.768,23.101 -67.372,22.706 -66.192,22.706 RN4.2@-66.014,22.528 ; RN4.2@-66.014,22.528 -65.731,22.528 RN4.2@-65.676,22.473 RN4.2@-66.014,22.528
A11: RN16.1 U2.R7 | length 11.6
  TOP w0.127: U2.R7@-72.321,25.025 -72.505,24.841 -72.505,24.302 -72.96,23.848 -72.96,22.706 -70.089,19.835 -67.34,19.835 -66.864,19.359 -66.509,19.359 -66.29,19.141 RN16.1@-65.419,19.141
A12: RN4.4 U2.N7 | length 8.4
  TOP w0.127: U2.N7@-71.19,26.157 -71.005,25.972 -71.005,25.415 -69.404,23.814 -69.404,23.286 -68.163,22.045 -66.517,22.045 RN4.4@-66.009,21.537 ; RN4.4@-66.009,21.537 RN4.4@-65.676,21.473 -65.74,21.537 RN4.4@-66.009,21.537
A13: RN18.4 U2.T3 | length 15.1
  TOP w0.127: U2.T3@-75.149,26.722 -78.09,23.781 -78.09,20.166 -73.683,15.758 RN18.4@-72.61,15.758
A14: RN16.2 U2.T7 | length 11.7
  TOP w0.127: U2.T7@-72.887,24.46 -73.391,23.955 -73.391,22.528 -70.445,19.581 -67.499,19.581 -66.895,18.978 -66.667,18.978 -66.329,18.641 RN16.2@-65.419,18.641
AVCC: C61.1 R181.2 TP11.1 U1.81 U3.12 U4.1 | length 131.8
  TOP w0.203: U3.12@-18.007,41.017 ccw(c-18.009,41.171) -17.855,41.171 ; U3.12@-18.006,41.018 ccw(c-18.371,41.383) -17.855,41.383 ; U3.12@-17.855,41.021 -17.857,41.019 U3.12@-18.007,41.019 -17.855,41.171 ; -17.855,41.427 -17.855,41.171
  TOP w0.305: v1(-63.994,9.525) -63.577,9.108 U1.81@-61.84,9.108
  TOP w0.508: R181.2@-64.299,7.357 cw(c-63.809,7.357) -64.155,7.704 ; R181.2@-64.295,7.307 -64.295,7.564 v1@-63.983,7.876 ; v3(-51.447,41.25) -51.447,42.811 -48.932,45.326 -30.415,45.326 v4(-27.71,42.621) ; -17.855,41.427 v1(-17.855,43.358)
  Singal w0.508: v4(-77.253,11.659) -81.647,16.053 -81.647,26.758 -79.056,29.35 -79.056,31.8 -81.164,33.909 v3(-81.164,39.16) -81.164,39.186 -80.288,40.062 -78.295,40.062 -76.272,42.084 -68.36,42.084 -67.234,40.959 v4(-67.234,40.521)
  POWER w0.508: v4@-77.202,11.709 v4(-77.253,11.659) -70.162,11.659 -68.253,9.749 -64.219,9.749 v1(-63.994,9.525) -63.983,9.514 v1(-63.983,7.885)
  BOTTOM w0.508: v3(-81.164,39.16) -81.164,39.821 -80.936,40.049 U4.1@-80.311,40.049 ; v4(-67.234,40.521) -65.319,40.521 -64.489,41.351 -64.388,41.25 v3(-51.447,41.25) ; v4(-27.71,42.621) -24.662,42.621 -24.238,42.197 -18.583,42.197 v1(-17.88,42.9) -17.88,43.449 -16.358,44.972 C61.1@-16.358,45.17 -14.57,45.17 TP11.1@-14.4,45 ; -16.832,44.497 ccw(c-17.505,45.17) C61.1@-16.554,45.17 ; C61.1@-16.219,45.031 cw(c-15.885,44.696) -15.885,45.17 cw(c-15.885,45.643) C61.1@-16.219,45.308
BA0: RN17.3 U2.M2 | length 17.2
  TOP w0.127: U2.M2@-73.452,29.551 -73.252,29.35 -73.252,28.834 -72.934,28.516 -72.934,26.715 -75.627,24.023 -75.627,21.207 -72.375,17.956 -70.775,17.956 -70.311,17.492 RN17.3@-69.648,17.492
BA1: RN4.3 U2.N8 | length 7.5
  TOP w0.127: U2.N8@-70.624,25.591 -70.067,25.591 -69.15,24.674 -69.15,23.391 -68.057,22.299 -66.325,22.299 RN4.3@-66.02,21.994 ; RN4.3@-66.02,21.994 -65.697,21.994 RN4.3@-65.676,21.973 RN4.3@-66.02,21.994
BA2: RN17.2 U2.M3 | length 15.6
  TOP w0.127: U2.M3@-72.887,28.985 -72.579,28.677 -72.579,26.617 -75.119,24.077 -75.119,21.41 -71.918,18.21 -70.416,18.21 -70.198,17.992 RN17.2@-69.648,17.992